# Altium PCB VESC_KS75600.PcbDoc (part 2 of 3)
Units mm, origin at the board's own origin, x right, y up, seen from the top; angles counter-clockwise.
Board outline 174 x 106 mm, 4 copper layers (TL, S1, S2, BL), stack 1.58 mm thick; 300 components, 160 nets, 892 pads, 642 vias.
Unrouted connection lines stored in the file: 213.
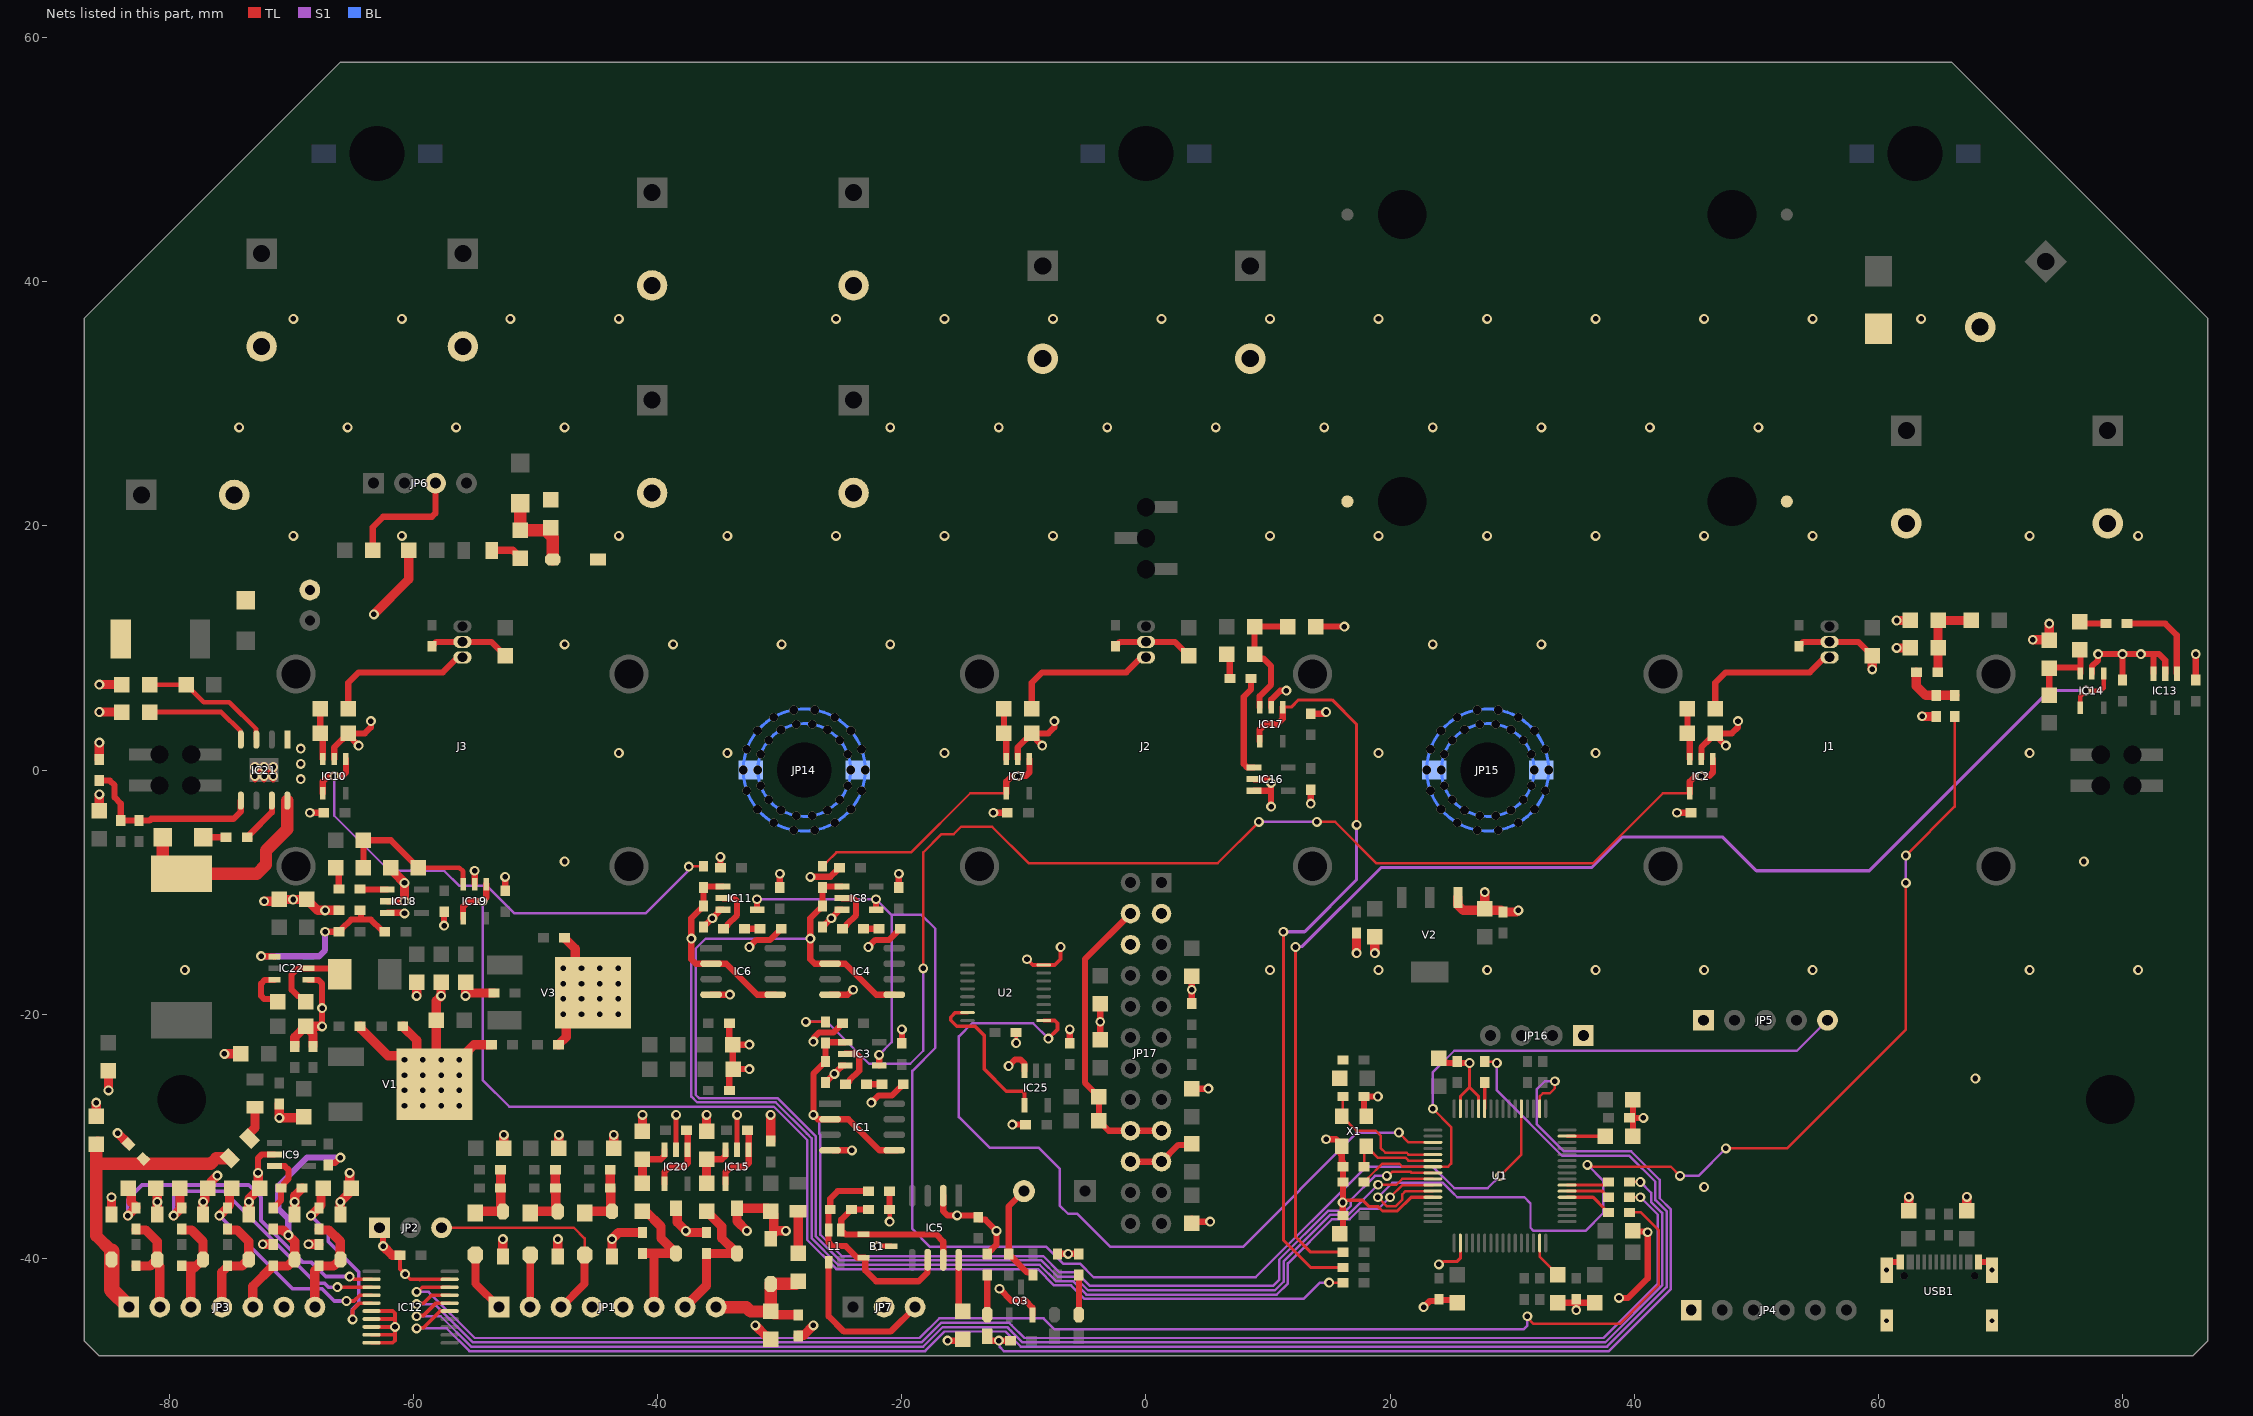
[diagram p4: the nets of this part, all layers, seen from the top]

## Via types
v1: diameter 0.813, hole 0.457, TL to BL, tented both sides, 462 vias
v2: diameter 0.711, hole 0.711, TL to BL, tented both sides, 180 vias

## Nets (pads, with @x,y where several pads share a name; then routed paths per layer and width w, separated by ;. In a path a pad name is that pad's centre, name@x,y a point inside that pad or via, vN(x,y) a via of type N, cw(c..) or ccw(c..) an arc to the next point about the centre after c; other vN are vias at no path point) (continued)
CANL: JP7.3 L1.2 | length 12.9
  TL w0.508: L1.2@-26,-40.325 -26,-44.75 -24.75,-46 -20.92,-46 JP7.3@-18.92,-44
CON_ANA_5V: C1.1 C2.1 DR1.2 JP1.8 R1.1 | length 11.6
  TL w0.762: C2.1@-30.75,-44.357 -30.471,-44.636 C1.1@-28.5,-44.636
  TL w1.016: JP1.8@-35.22,-44 -32.75,-44 -32.393,-44.357 C2.1@-30.75,-44.357 DR1.2@-30.75,-42.1 -28.707,-42.1 R1.1@-28.5,-41.893
CON_ANA_BRK: C51.2 DR10.2 JP1.7 R48.2 | length 12.2
  TL w0.762: JP1.7@-37.76,-44 -36,-42.24 C51.2@-36,-39.614 -33.514,-39.614 DR10.2@-33.5,-39.6 -33.5,-39.477 -33.619,-39.358 -33.742,-39.358 -34.75,-38.35 -34.75,-37.393 R48.2@-36,-36.143
CON_ANA_THR: C56.2 DR12.2 JP1.6 R58.2 | length 11.3
  TL w0.762: C56.2@-41.25,-39.614 -41.25,-39.6 -40.25,-39.6 ; R58.2@-40.982,-36.143 -39.732,-37.393 -39.732,-38.35 DR12.2@-38.724,-39.358 ; JP1.6@-40.3,-44 -40.3,-39.65 -40.25,-39.6 ; DR12.2@-38.5,-39.6 -40.25,-39.6
CON_BUT_CC: JP1.2 VD2.2 | length 4.3
  TL w0.635: JP1.2@-50.46,-44 -50.437,-43.977 VD2.2@-50.437,-39.723
CON_BUT_REV: JP1.1 VD1.2 | length 5.1
  TL w0.635: VD1.2@-54.937,-39.723 -54.937,-42.063 JP1.1@-53,-44
CON_HALL_5V: C5.1 C6.1 DR2.2 F4.2 JP3.1 | length 26
  TL w1.016: C6.1@-85.873,-30.516 C6.1@-86,-30.643 -86,-32 ; -84.75,-39.405 -86,-38.155 -86,-32.5 -86,-32 ; F4.2@-75.058,-31.808 -75.193,-31.674 -75.328,-31.808 -76.173,-31.808 -76.615,-32.25 -85.75,-32.25 -86,-32
  TL w1.27: -84.75,-39.405 DR2.2@-84.75,-40.1 -84.75,-42.58 JP3.1@-83.33,-44
CON_HALL_A: DR7.2 JP3.2 R31.1 R38.2 | length 10
  TL w0.762: R31.1@-82.75,-40.639 -81.565,-40.639 -81.269,-40.342 -81.119,-40.342 -81,-40.223 DR7.2@-81,-40.1 ; R38.2@-82.75,-37.614 -82.75,-37.677 -81.949,-37.677 -81,-38.626 DR7.2@-81,-40.1 ; JP3.2@-81,-43.536 JP3.2@-80.79,-43.746 ; JP3.2@-80.79,-44 JP3.2@-80.79,-43.746 ; DR7.2@-81,-40.1 -80.908,-40.192 -80.908,-40.553 -80.79,-40.671 JP3.2@-80.79,-43.746
CON_HALL_B: DR8.2 JP3.3 R32.1 R41.2 | length 9.3
  TL w0.762: R32.1@-79,-40.639 -77.815,-40.639 ; R41.2@-79,-37.614 -79,-37.677 -78.199,-37.677 -77.25,-38.626 DR8.2@-77.25,-40.1 -77.25,-40.223 -77.369,-40.342 -77.519,-40.342 -77.815,-40.639 ; JP3.3@-78.25,-44 -78.25,-41.073 -77.815,-40.639
CON_HALL_C: DR9.2 JP3.4 R33.1 R44.2 | length 9.3
  TL w0.762: JP3.4@-75.71,-44 -75.71,-41.149 -75.264,-40.702 -75.25,-40.702 -75.25,-40.639 -74.065,-40.639 -73.769,-40.342 -73.619,-40.342 -73.5,-40.223 -73.5,-38.626 -74.449,-37.677 -75.25,-37.677 R44.2@-75.25,-37.614
CON_NTC_MOTOR: C32.2 DR3.2 JP3.5 R15.1 R20.1 | length 21.6
  TL w0.508: R15.1@-67,-32.389 -67,-32.325 -66.873,-32.198 -66.45,-32.198 -66.002,-31.75 v1(-66,-31.75)
  TL w0.762: JP3.5@-73.17,-44 -73.17,-42.283 -71.563,-40.677 -71.5,-40.677 C32.2@-71.5,-40.613 ; C32.2@-71.5,-40.639 -70.315,-40.639 -70.019,-40.342 -69.869,-40.342 -69.75,-40.223 -69.75,-38.626 v1(-70.268,-38.108) -70.699,-37.677 -71.5,-37.677 R20.1@-71.5,-37.614
  S1 w0.508: v1(-70.268,-38.108) -70.268,-36.775 -71.093,-35.95 -71.093,-34.099 -68.745,-31.75 v1(-66,-31.75)
CON_PWM_MOTOR: DR11.2 JP3.7 R53.2 R56.2 | length 9.2
  TL w0.762: JP3.7@-68.09,-44 -68.09,-41.017 -67.75,-40.677 -67.75,-40.639 -66.565,-40.639 -66.269,-40.342 -66.119,-40.342 -66,-40.223 -66,-38.626 -66.949,-37.677 -67.75,-37.677 R53.2@-67.75,-37.614
CON_SERVO: JP1.3 JP2.3 VD3.2 | length 18.5
  TL w0.203: JP2.3@-57.71,-37.5 -46.876,-37.5 -46,-38.376 VD3.2@-46,-39.715
  TL w0.635: JP1.3@-47.92,-44 -46,-42.08 VD3.2@-46,-39.715
CUR_FILTER_SEL: IC3.4 IC8.4 IC11.4 U1.53 | length 116.4
  TL w0.203: v1(29,-33.25) 30.75,-31.5 U1.53@30.75,-27.751
  TL w0.508: v1(-31.869,-10.586) -31.859,-10.596 -31.859,-11.446 -31.855,-11.45 IC11.4@-31.85,-11.45 ; v1(-22.119,-10.586) -22.109,-10.596 -22.109,-11.446 -22.105,-11.45 IC8.4@-22.1,-11.45 ; v1(-21.869,-23.336) -21.859,-23.346 -21.859,-24.196 -21.855,-24.2 IC3.4@-21.85,-24.2
  S1 w0.203: v1(-31.869,-10.586) v1(-22.119,-10.586) -20.835,-11.87 ; v1(-21.869,-23.336) -20.835,-22.303 -20.835,-11.87 ; v1(29,-33.25) 28,-34.25 25.25,-34.25 23.518,-32.518 18.008,-32.518 8.973,-41.553 -4.295,-41.553 -5.404,-40.445 -6.785,-40.445 -8.163,-39.066 -17.681,-39.066 -19.144,-37.603 -19.144,-24.644 -17.25,-22.75 -17.25,-13 -18.38,-11.87 -20.835,-11.87
FAULT: JP17.4 JP17.17 JP17.18 R102.2 R103.1 | length 24.5
  TL w0.508: JP17.4@-1.27,-11.77 -5,-15.5 -5,-25.607 R103.1@-3.857,-26.75 R102.2@-3.857,-28.75 -3.057,-29.55 JP17.18@-1.27,-29.55 JP17.17@1.27,-29.55
GATE_EN: U1.3 U2.1 | length 66.9
  TL w0.203: v1(20.721,-29.696) 20.721,-29.721 21.5,-30.5 U1.3@23.5,-30.5
  TL w0.305: U2.1@-8.375,-20.525 -7.475,-20.525 -7.25,-20.75 -7.25,-21.25 v1(-8,-22)
  S1 w0.203: v1(-8,-22) -9.25,-20.75 -14.247,-20.75 -15.328,-21.83 -15.328,-28.428 -12.795,-30.961 -8.777,-30.961 -7.078,-32.661 -7.078,-35.661 -6.372,-36.366 -5.616,-36.366 -2.919,-39.064 7.942,-39.064 17.295,-29.711 20.705,-29.711 v1(20.721,-29.696)
GND: B1.3 C1.2 C2.2 C3.2 C4.2 C5.2 C6.2 C7.2 C8.2 C9.2 C10.2 C11.1 C12.2 C13.2 C14.2 C15.2 C16.2 C17.2 C18.2 C19.2 C20.2 C21.2 C22.1 C23.1 C24.2 C25.2 C26.2 C27.2 C28.2 C29.1 C30.2 C31.1 C32.1 C33.1 C34.2 C35.2 C36.2 C37.1 C38.1 C39.1 C40.1 C41.2 C42.2 C44.2 C45.2 C46.2 C47.1 C48.1 C49.1 C50.2 C51.1 C53.1 C54.2 C55.2 C56.1 C58.2 C59.2 C60.2 C63.2 C64.2 C65.2 C66.2 C67.2 C69.1 C71.2 C72.2 C73.2 C74.2 C75.2 C76.1 C77.2 C78.2 C79.2 C80.2 C81.2 C82.2 C83.2 C84.2 C85.1 C86.2 C87.2 C93.2 C94.2 C95.2 C96.2 C97.2 C98.2 C99.2 C100.2 C101.2 C102.2 C103.2 C104.2 C105.1 C106.1 C107.2 C108.2 C109.1 C110.2 C111.2 C112.1 C113.1 DR1.1 DR2.1 DR3.1 DR4.1 DR5.1 DR6.1 DR7.1 DR8.1 DR9.1 DR10.1 DR11.1 DR12.1 DR13.1 DR14.1 E1.2 E2.2 E3.2 E4.2 E5.2 E6.2 E7.2 E8.2 E9.2 E10.2 E11.2 E12.2 E13.2 IC1.4 IC2.2 IC3.3 IC4.4 IC5.2 IC6.4 IC7.2 IC8.3 IC9.2 IC10.2 IC11.3 IC12.6 IC12.7 IC12.8 IC12.9 IC12.10 IC12.19 IC13.2 IC13.3 IC14.2 IC15.2 IC16.2 IC16.3 IC17.2 IC18.2 IC18.3 IC19.2 IC20.2 IC21.1 IC22.1 IC25.3 J1.2 J2.2 J3.2 JP1.4 JP1.5 JP2.1 JP3.6 JP4.1 JP5.1 JP7.2 JP14.1 JP15.1 JP16.1 JP17.3 JP17.6 JP17.19 JP17.20 JP19.1 Q3.2 R5.1 R8.1 R12.1 R16.1 R25.1 R29.1 R39.1 R43.1 R51.1 R55.1 R56.1 R62.1 R63.1 R70.1 R71.1 R72.1 R73.1 R81.2 R91.1 R92.1 R97.1 R98.1 R99.1 R105.2 R106.2 R107.2 R108.2 R109.2 R110.2 U1.12 U1.18 U1.60 U1.63 U2.8 USB1.A1B12 USB1.B1A12 USB1.S V1.2 V2.1 V3.2 X1.2 X1.4 | length 398.5
  TL w0.254: v1@16.25,-35.298 16.298,-35.25 17.75,-35.25 18.25,-35.75 19,-35.75 19.381,-36.131 20.592,-36.131 21.723,-35 U1.12@23.5,-35 ; v1(24,-40.5) 24.151,-40.5 24.401,-40.25 25.5,-40.25 25.75,-40 U1.18@25.75,-38.75 ; U1.63@25.75,-27.751 25.75,-26.75 26.5,-26 ; v1(26.5,-24) 26.5,-26 ; U1.60@27.25,-27.751 27.25,-26.75 26.5,-26
  TL w0.305: IC12.10@-63.45,-46.925 -61.704,-46.925 -61.525,-46.746 -61.525,-46.275 ; IC12.9@-63.45,-46.275 -61.525,-46.275 ; IC12.8@-63.45,-45.625 v1(-61.525,-45.625) ; IC12.7@-63.45,-44.975 -61.525,-44.975 ; IC12.6@-63.45,-44.325 -61.704,-44.325 -61.525,-44.504 -61.525,-44.975 ; C42.2@-61.114,-39.75 -61.114,-40.886 v1(-60.694,-41.306) -60.275,-41.725 -59.525,-41.725 -59.5,-41.75 ; -59.475,-41.725 IC12.19@-57.05,-41.725 ; v1(-10.636,-22.364) C110.2@-10.636,-21.5 ; v1(-9.75,-15.5) -9.275,-15.975 -7.475,-15.975 -7,-15.5 v1(-7,-14.5) ; -61.525,-46.275 v1(-61.525,-45.625) ; v1(-61.525,-45.625) -61.525,-44.975
  TL w0.381: IC20.2@-38.5,-31.1 v1(-38.5,-28.25) ; IC15.2@-33.503,-31.103 v1(-33.503,-28.253) ; v1(-22,-39) B1.3@-20.875,-39 ; v1(-21,-37) C18.2@-21,-36
  TL w0.508: v1@-73,-0.75 v1@-72.25,0 ; v1@-73,0 v1@-72.25,0 ; v1(-72.75,-33) -72.75,-31.798 -72.452,-31.5 IC9.2@-71.4,-31.5 ; v1@-72.25,-0.75 v1@-72.25,0 ; v1@-71.5,-0.75 v1@-72.25,0 ; v1@-71.448,0.052 -71.5,0 v1@-72.25,0 ; IC22.1@-68.603,-17.2 -67.8,-17.2 -67.5,-17.5 v1(-67.5,-19.5) v1(-67.5,-21) ; v1@-68.5,-3.5 C30.2@-67.364,-3.5 ; IC10.2@-66.5,0.9 -66.5,1.857 R25.1@-65.835,2.522 ; v1(-64.5,2) -64.976,2.476 -64.976,2.619 R25.1@-65.357,3 -64,3 -63.5,3.5 v1(-63.5,4) ; JP2.1@-62.79,-37.5 -62.5,-37.79 v1(-62.5,-39) ; IC18.3@-62.15,-11.7 -60.8,-11.7 v1(-60.75,-11.75) ; IC18.2@-62.15,-10.75 v1(-60.75,-10.75) ; C28.2@-58.5,10.136 -58.5,10.2 -58.373,10.327 -58.31,10.327 -58.137,10.5 J3.2@-56,10.5 -53.643,10.5 C29.1@-52.5,9.357 ; v1(-57.5,-12.75) C58.2@-57.5,-11.614 ; IC19.2@-55,-9.35 v1(-55,-8.25) ; C55.2@-52.5,-9.886 v1(-52.5,-8.75) ; C34.2@-36.25,-12.864 -36.25,-12.8 -36.123,-12.673 -36.06,-12.673 v1(-35.528,-12.141) -34.996,-11.609 -34.996,-11.454 -34.992,-11.45 IC11.3@-34.65,-11.45 ; IC6.4@-35.625,-18.405 v1(-34.095,-18.405) ; C36.2@-34.864,-8 v1(-34.864,-7.114) ; C40.1@-34.136,-26.25 -34.136,-24.804 R29.1@-33.832,-24.5 ; C31.1@-34.136,-20.75 -34.136,-22.221 R16.1@-33.857,-22.5 ; v1(-32.5,-24.5) R29.1@-33.832,-24.5 ; v1(-32.5,-22.5) R16.1@-33.857,-22.5 ; v1(-32.5,-14.5) -31.914,-13.914 -30.8,-13.914 C35.2@-30.077,-13.191 ; C20.2@-30,-9.636 v1(-30,-8.5) ; v1(-27.5,-8.75) -27.487,-8.737 -25.851,-8.737 -25.304,-8.19 -25.304,-8.127 -25.177,-8 C27.2@-25.114,-8 ; v1(-27.25,-22.25) -27.192,-22.192 -27.192,-21.905 -26.8,-21.513 -25.627,-21.513 -25.054,-20.94 -25.054,-20.877 -24.927,-20.75 C16.2@-24.864,-20.75 ; C25.2@-26.5,-12.864 -26.5,-12.8 -26.373,-12.673 -26.31,-12.673 v1(-25.778,-12.141) -25.246,-11.609 -25.246,-11.454 -25.242,-11.45 IC8.3@-24.9,-11.45 ; C13.2@-26.25,-25.614 -26.25,-25.55 -26.123,-25.423 -26.059,-25.423 v1(-25.528,-24.891) -24.996,-24.359 -24.996,-24.204 -24.992,-24.2 IC3.3@-24.65,-24.2 ; IC4.4@-25.875,-18.405 -24.438,-18.405 -24.033,-18 v1(-24,-18) ; IC1.4@-25.625,-31.155 v1(-24.095,-31.155) ; v1(-22.75,-14.5) -22.164,-13.914 -21.05,-13.914 C26.2@-20.327,-13.191 ; v1(-22.5,-27.25) -21.913,-26.664 -20.8,-26.664 C15.2@-20.077,-25.941 ; C18.2@-21.009,-36 C22.1@-21.009,-34.509 ; C14.2@-20.25,-9.636 v1(-20.25,-8.5) ; C9.2@-20,-22.386 v1(-20,-21.25) ; IC5.2@-16.615,-34.875 -16.615,-36.135 -16.266,-36.484 v1(-15.472,-36.484) -13.877,-36.484 -13.75,-36.611 C19.2@-13.75,-36.636 -13.75,-36.7 -13.623,-36.827 -13.173,-36.827 v1(-12.25,-37.75) -12.25,-38.886 -12.809,-39.446 -12.873,-39.446 -13,-39.573 R98.1@-13,-39.636 ; v1(-16.25,-46.75) -15.107,-46.75 R8.1@-15,-46.643 ; v1(-12.5,-3.5) C21.2@-11.364,-3.5 ; v1(-12,-42.5) -11.024,-43.476 -9.867,-43.476 -9.3,-44.043 Q3.2@-9.3,-44.643 ; v1(-11.25,-24.25) -10.71,-23.71 -10.29,-23.71 -9.95,-24.05 IC25.3@-9.95,-24.65 ; v1(-10.95,-29.05) C112.1@-9.864,-29.05 ; IC7.2@-10.5,0.9 -10.5,1.857 R12.1@-9.835,2.522 ; v1(-8.5,2) -8.976,2.476 -8.976,2.619 R12.1@-9.357,3 -8,3 -7.5,3.5 v1(-7.5,4) ; R99.1@-7.25,-39.636 v1(-6.375,-39.636) R97.1@-5.5,-39.636 ; C111.2@-6.25,-22.386 v1(-6.25,-21.25) ; R107.2@-3.75,-22.107 v1(-3.75,-20.625) R109.2@-3.75,-19.143 ; C24.2@-2.5,10.136 -2.5,10.2 -2.373,10.327 -2.31,10.327 -2.137,10.5 J2.2@0,10.5 2.357,10.5 C23.1@3.5,9.357 ; JP17.20@-1.27,-32.09 JP17.19@1.27,-32.09 2.651,-30.71 3.647,-30.71 R110.2@3.75,-30.607 ; R108.2@3.75,-36.75 4,-37 v1(5.25,-37) ; R105.2@3.75,-26.107 v1(5.107,-26.107) ; C113.1@3.75,-19.136 v1(3.75,-18) R106.2@3.75,-16.893 ; IC16.3@8.85,-1.7 10.2,-1.7 10.25,-1.75 ; IC16.2@8.85,-0.75 9.952,-0.75 v1(10.25,-1.048) 10.25,-1.75 ; v1(10.25,-3) 10.25,-1.75 ; IC17.2@10.25,5.15 10.25,5.75 11,6.5 v1(11.5,6.5) ; v1(13.5,-2.75) C54.2@13.5,-1.614 ; C50.2@13.5,4.614 14.531,4.614 14.668,4.75 v1(14.75,4.75) ; R55.1@13.893,11.75 v1(16.25,11.75) ; v1(14.75,-30.25) 15.568,-30.25 16.044,-30.726 16.044,-31.544 ; X1.4@15.735,-31.235 16.044,-31.544 ; C97.2@15.857,-38 16.136,-37.721 C96.2@16.136,-36.5 16.126,-36.489 16.126,-35.444 v1(16.115,-35.433) v1@16.25,-35.298 ; C106.1@16.044,-32.126 16.044,-31.544 ; C106.1@16.136,-32.126 C106.1@16.136,-32.5 16.136,-35.292 16.178,-35.333 v1@16.214,-35.333 ; X1.2@18.051,-28.362 17.864,-28.176 C105.1@17.864,-26.75 v1(19,-26.75) ; v1(22.75,-44) 23.25,-43.5 23.873,-43.5 24,-43.373 C104.2@24,-43.364 24.066,-43.429 25.286,-43.429 C99.2@25.5,-43.643 ; C101.2@24,-23.607 24.381,-23.988 24.667,-23.988 24.679,-24 v1(26.5,-24) ; C108.2@33.75,-43.643 C100.2@35.25,-43.643 ; v1(35.25,-44.25) C100.2@35.25,-43.643 ; C100.2@35.25,-43.364 C100.2@35.25,-43.643 ; C95.2@36.75,-43.643 C100.2@35.25,-43.643 ; v1(38.75,-43.25) 39.5,-43.25 41.1,-41.65 v1(41.1,-37.87) 41.042,-37.812 39.955,-37.812 C17.2@39.893,-37.75 ; C102.2@39.614,-28.5 C102.2@39.893,-28.5 ; C107.2@39.893,-30 C102.2@39.893,-28.5 ; C93.2@39.893,-27 C102.2@39.893,-28.5 ; v1@40.75,-28.5 C102.2@39.893,-28.5 ; v1(43.5,-3.5) C12.2@44.636,-3.5 ; IC2.2@45.5,0.9 45.5,1.857 R5.1@46.165,2.522 ; v1(47.5,2) 47.024,2.476 47.024,2.619 R5.1@46.643,3 48,3 48.5,3.5 v1(48.5,4) ; C10.2@53.5,10.136 53.5,10.2 53.627,10.327 53.69,10.327 53.863,10.5 J1.2@56,10.5 58.357,10.5 C11.1@59.5,9.357 ; USB1.S@60.68,-40.967 60.68,-40.556 60.926,-40.31 USB1.A1B12@61.8,-40.31 ; USB1.B1A12@68.2,-40.31 69.074,-40.31 69.32,-40.556 USB1.S@69.32,-40.967 ; IC14.2@77.5,7.9 77.5,8.5 78,9 v1(78,9.5) v1(80,9.5) ; C46.2@80,7.364 v1(80,9.5) ; IC13.3@82.55,7.9 82.55,9.5 ; IC13.2@83.5,7.9 83.5,9 83,9.5 82.55,9.5 ; C41.2@86,7.364 v1(86,9.5) ; R16.1@-33.857,-22.5 -33.857,-24.475 R29.1@-33.832,-24.5 ; v1(80,9.5) 82.55,9.5
  TL w0.762: v1(-86,-27.25) C6.2@-86,-28.357 C6.2@-85.786,-28.571 ; C65.2@-85.75,-3.357 v1(-85.75,-2) ; R70.1@-85.75,0.864 v1(-85.75,2.25) ; v1(-85.75,4.75) R73.1@-83.893,4.75 ; v1(-85.75,7) R72.1@-83.893,7 ; v1(-85,-26.25) C64.2@-85,-24.643 ; DR2.1@-84.75,-36.4 v1(-84.75,-35) ; v1(-84.25,-29.75) C5.2@-83.361,-30.639 ; C49.1@-81.321,-34.035 C49.1@-81.107,-34.25 -81,-34.357 v1(-81,-35.378) DR7.1@-81,-36.4 ; DR8.1@-77.25,-36.4 -77.25,-35.365 -77.111,-35.226 -77.111,-34.504 -76.603,-33.996 -76.603,-33.729 -76.107,-33.234 -76.09,-33.234 v1(-76.08,-33.224) ; v1(-75.5,-23.25) C7.2@-74.143,-23.25 ; DR9.1@-73.5,-36.4 v1(-73.5,-35.378) -73.49,-35.369 -73.49,-35.133 C47.1@-72.607,-34.25 ; v1(-72.75,-33) -72.74,-33.01 -72.74,-34.117 C47.1@-72.607,-34.25 ; C47.1@-72.5,-34.357 C47.1@-72.607,-34.25 ; v1(-72.364,-38.853) -72.354,-38.863 -71.5,-38.863 C32.1@-71.5,-38.886 ; v1(-72.25,-10.75) -72.24,-10.74 -71.133,-10.74 C66.2@-71,-10.607 v1(-69.875,-10.607) C67.2@-68.75,-10.607 -67.867,-11.49 -67.26,-11.49 v1(-67.25,-11.5) R71.1@-66.139,-11.5 ; C8.2@-71,-27.364 -71,-27.65 v1(-71,-28.5) -69.107,-28.5 C76.1@-69,-28.393 ; DR3.1@-69.75,-36.4 v1(-69.75,-35.378) -69.74,-35.369 -69.74,-34.879 -69.174,-34.313 -69.174,-34.25 C33.1@-69.111,-34.25 ; C78.2@-69.75,-22.636 -69.75,-21.893 C63.2@-68.857,-21 ; v1(-68.614,-38.853) -68.604,-38.863 -67.75,-38.863 R56.1@-67.75,-38.886 ; C77.2@-68.25,-22.636 -68.25,-21.607 C63.2@-68.857,-21 ; v1(-67.5,-21) C63.2@-68.857,-21 ; DR11.1@-66,-36.4 v1(-66,-35.378) -65.361,-34.739 -65.361,-34.504 C53.1@-65.107,-34.25 ; v1(-65.25,-33) -65.24,-33.01 -65.24,-34.117 C53.1@-65.107,-34.25 ; C53.1@-65,-34.357 C53.1@-65.107,-34.25 ; C75.2@-64.386,-21 -64.323,-21 -64.323,-21.185 -62.091,-23.417 -60.633,-23.417 V1.2@-59.754,-24.296 ; v1(-63.25,12.75) -63.25,12.764 -60.393,15.621 C60.2@-60.393,18 ; v1(-62.5,-39) -61.75,-39.75 C42.2@-61.114,-39.75 ; R62.1@-61.893,-8 -61.639,-8.254 -61.639,-8.361 v1(-60.75,-9.25) v1(-60.75,-10.75) ; C74.2@-60.886,-21 -60.823,-21 -60.823,-21.064 -59.754,-22.132 V1.2@-59.754,-24.296 ; v1(-59.75,-18.5) C71.2@-59.75,-17.393 ; C72.2@-57.75,-17.393 v1(-57.75,-18.5) -57.75,-18.514 -58.143,-18.907 C85.1@-58.143,-20.5 -58.143,-25.593 V1.2@-58.3,-25.75 ; C73.2@-55.75,-17.393 v1(-55.75,-18.5) -55.736,-18.5 -55.512,-18.275 C84.2@-53.419,-18.275 ; C87.2@-53.614,-22.5 -55.05,-22.5 -55.569,-23.019 -55.569,-23.21 -58.109,-25.75 V1.2@-58.3,-25.75 ; DR4.1@-52.687,-39.859 v1(-52.687,-38.434) ; C39.1@-52.607,-31 v1(-52.607,-29.893) ; DR5.1@-48.187,-39.859 v1(-48.187,-38.434) ; C86.2@-48.136,-22.5 -48.073,-22.5 -48.073,-22.437 -47.504,-21.868 -47.504,-20.454 V3.2@-45.3,-18.25 -46.754,-16.796 -46.754,-14.632 -47.573,-13.814 -47.573,-13.75 C83.2@-47.636,-13.75 ; C38.1@-48.107,-31 v1(-48.107,-29.893) ; DR6.1@-43.75,-39.85 v1(-43.75,-38.425) -43.211,-37.886 C56.1@-41.25,-37.886 ; C37.1@-43.607,-31 v1(-43.607,-29.893) ; R63.1@-41.25,-29.607 v1(-41.25,-28.25) ; DR12.1@-38.5,-35.9 -38.404,-35.996 -38.404,-37.046 v1(-37.7,-37.75) -37.686,-37.75 -37.55,-37.886 C51.1@-36,-37.886 ; R51.1@-36,-29.607 v1(-36,-28.25) ; v1(-32.7,-37.75) -33.5,-36.95 DR10.1@-33.5,-35.9 -32.246,-35.9 ; -32.018,-35.9 -32.246,-35.9 ; v1(-32,-45.5) -31.111,-46.389 -31.004,-46.389 C2.2@-30.75,-46.643 ; DR1.1@-30.75,-38.4 -30.75,-38.25 -30.25,-37.75 ; C4.2@-30.75,-30.386 v1(-30.75,-28.25) ; v1(-29.5,-37.75) -30.496,-37.75 -30.496,-36.397 -30.993,-35.9 -32.246,-35.9 ; C1.2@-28.5,-46.364 -28.5,-46.3 -28.05,-46.3 v1(-27.25,-45.5) ; v1@17.25,-15 C80.2@17.25,-13.364 ; v1(18.75,-15) C79.2@18.75,-13.643 ; V2.1@25.55,-10.452 25.55,-11.05 26,-11.5 29.114,-11.5 29.187,-11.573 29.25,-11.573 C82.2@29.25,-11.636 30.35,-11.636 30.486,-11.5 v1(30.5,-11.5) ; C81.2@27.75,-11.357 v1(27.75,-10) ; v1(59.5,8.25) C11.1@59.5,9.357 ; v1(61.5,10) R39.1@62.607,10 ; v1(61.5,12.25) C44.2@62.607,12.25 ; R91.1@62.5,-36.107 v1(62.5,-34.971) ; v1(63.588,4.407) 63.602,4.407 63.622,4.386 C45.2@64.75,4.386 ; R92.1@67.25,-36.107 v1(67.25,-34.971) ; v1(72.646,10.675) 72.656,10.665 73.917,10.665 R43.1@73.97,10.612 ; R43.1@74,10.643 v1(74,12) ; V1.2@-59.754,-24.296 V1.2@-58.3,-25.75